# Allegro board LAY-38820_A.brd (continued)
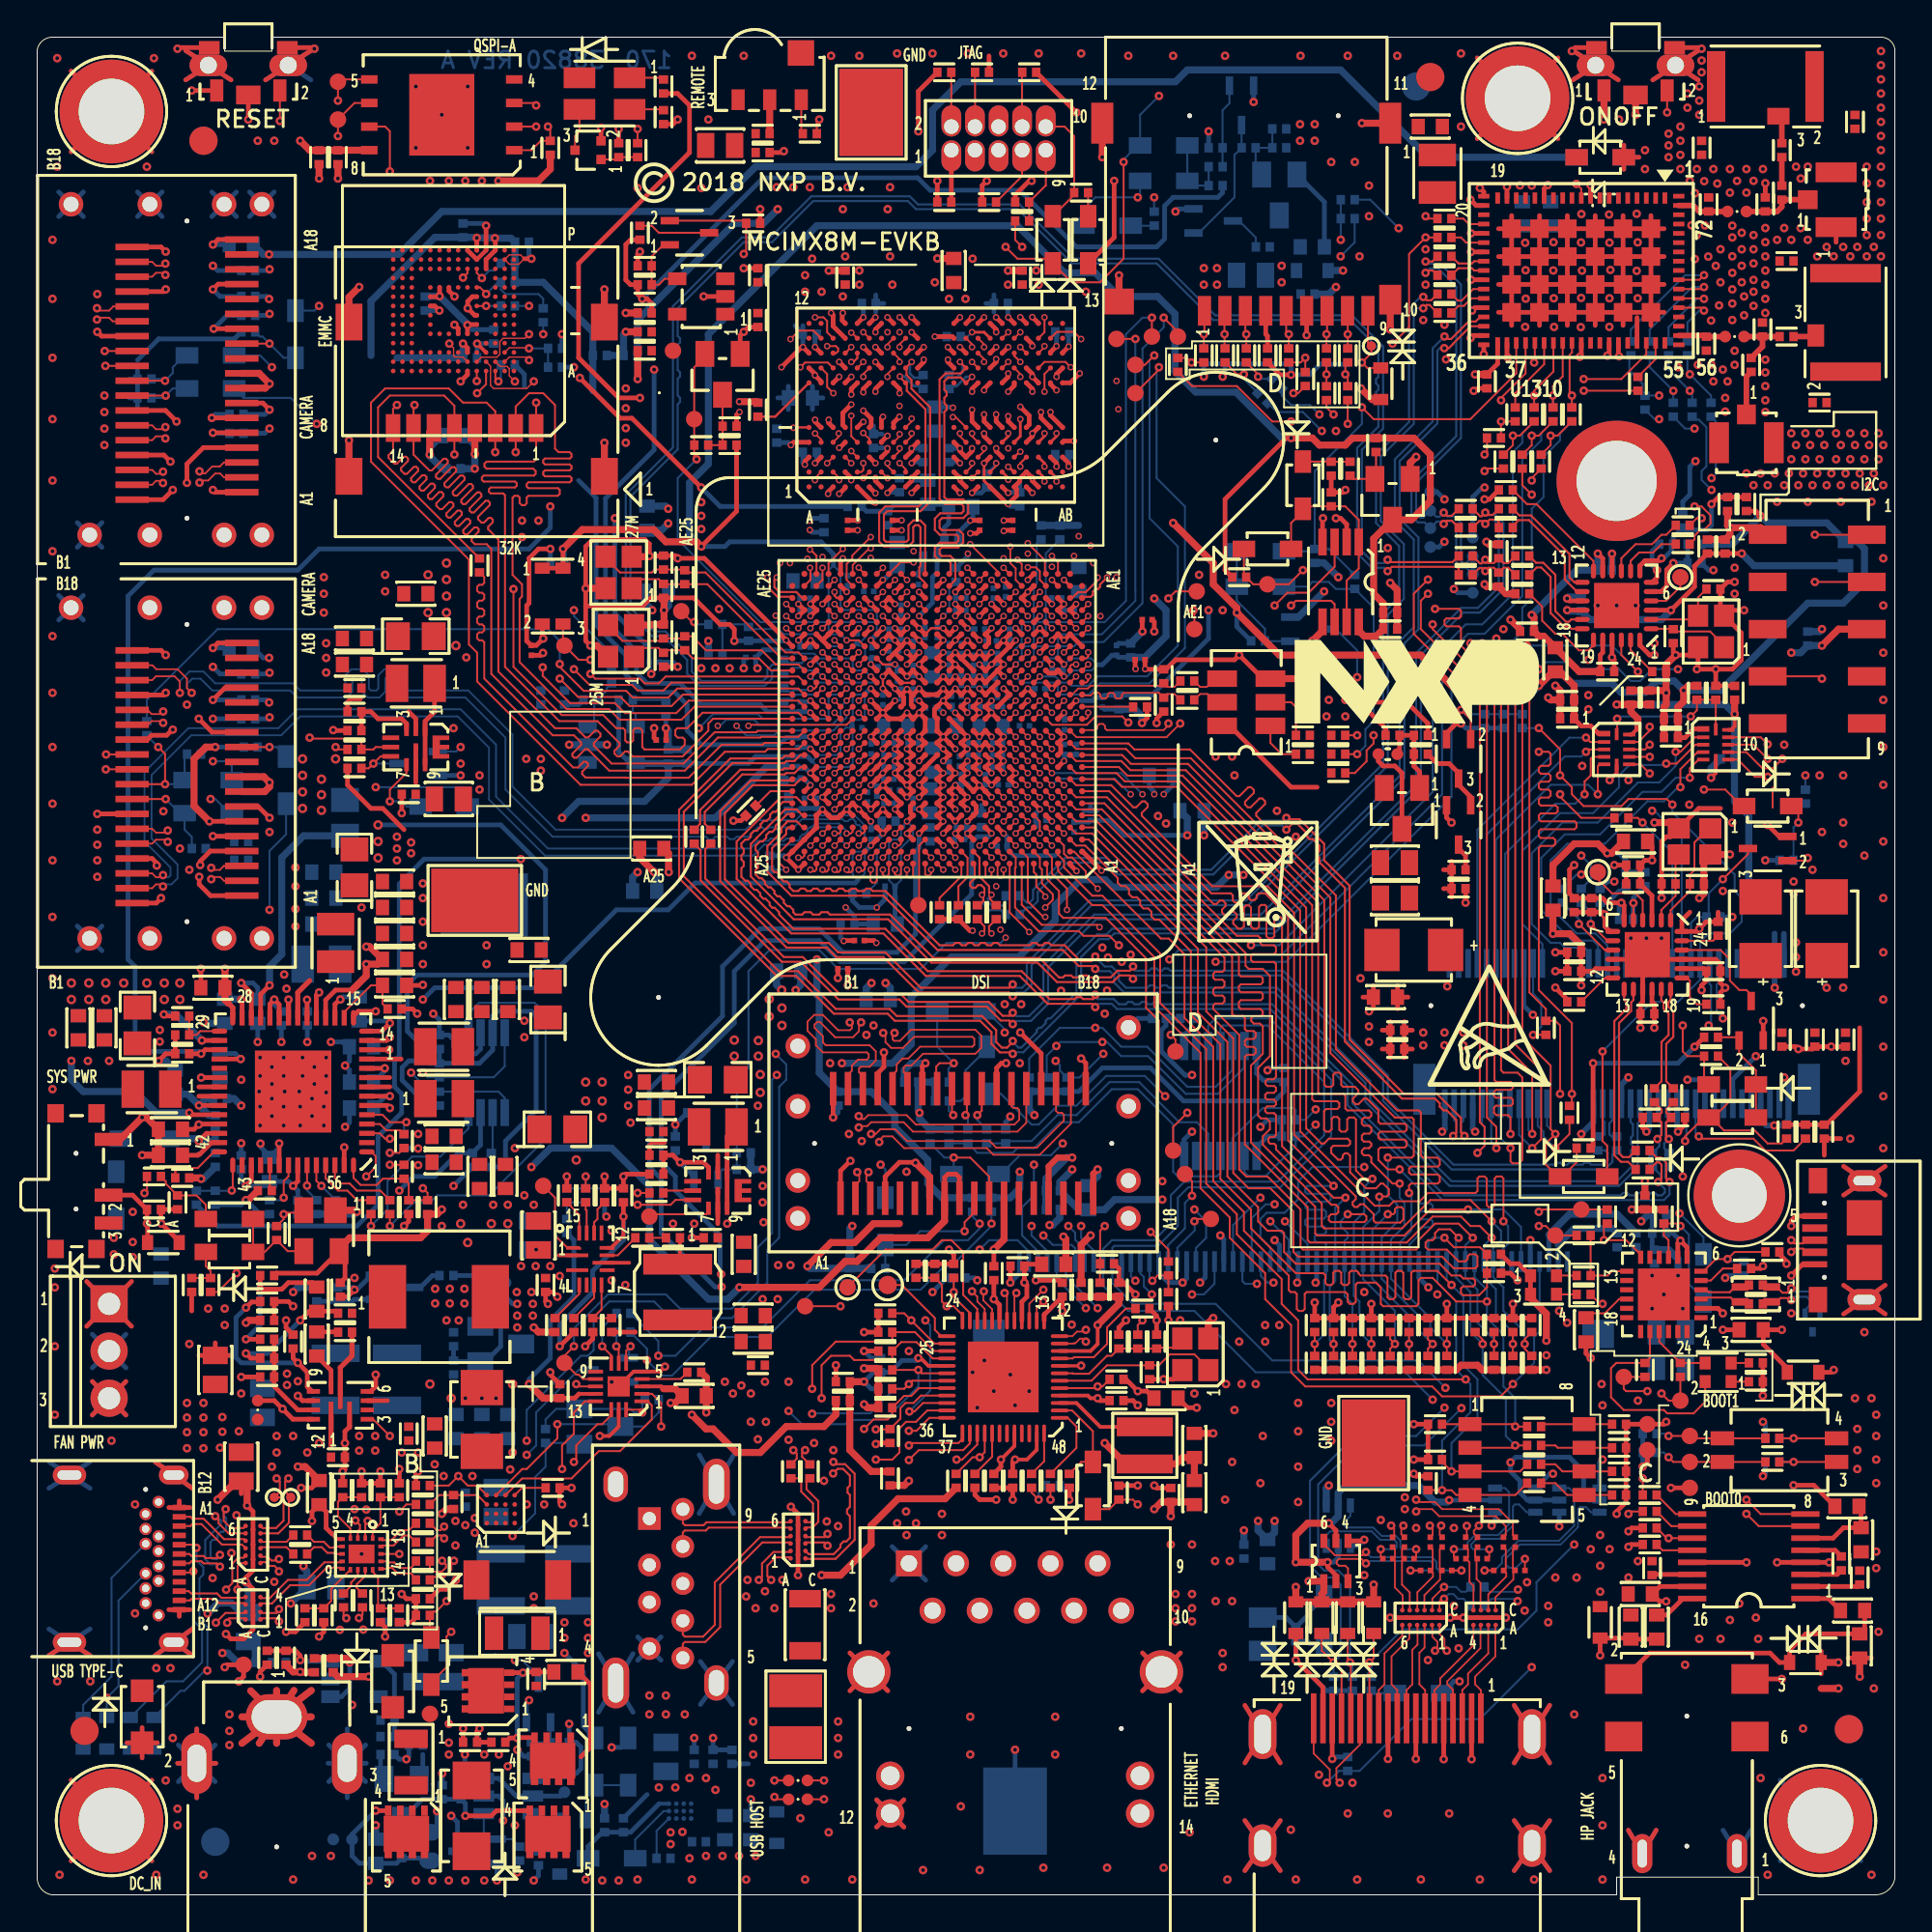
[diagram p0: board, top side]
## Routing (per net, layer and track width the routed paths; a pad name or vN(x,y) marks a point on that pad's centre or on a via; arc(x,y) is an arc through that point) (continued)
SAI3_TXD: length 61.5
  TOP w0.107: R1444.2 78.8,79.3 v1(78.8,79.31) 78.81,79.32 R1316.1 ; U101.C3 55.27,56.48 55.27,56.04 55.48,55.84 55.7,55.84 56.45,55.1 56.45,54.8 v2(57.09,54.16)
  L6_INT_2 w0.076: v2(57.09,54.16) 58.15,53.1 70.63,53.1 75.75,58.23 84.9,58.23 86.35,59.68 86.35,65.09 86.63,65.37 86.63,66.94 v1(87.06,67.37)
  L8_INT_3 w0.076: v1(78.8,79.31) 78.8,78.42 81.47,75.75 81.47,73.98 83.88,71.56 84.64,71.56 87.06,69.15 v1(87.06,67.37)
SAI3_TXFS: length 45.4
  TOP w0.107: R1443.2 79.44,78.03 v1(79.44,78.55) 79.81,78.55 R1317.1 ; U101.G3 v2(55.27,59.08)
  L6_INT_2 w0.076: v1(79.44,78.55) 78.55,77.66 78.55,70.17 80.63,68.08 80.63,67.04 79.44,65.85 76.14,65.85 72.21,61.93 67.9,61.93 65.01,59.04 62.12,59.04 61.12,60.03 57.11,60.03 56.16,59.08 v2(55.27,59.08)
SAI5_MCLK: length 37.7
  TOP w0.107: U101.K4 v2(54.62,61.03)
  L8_INT_3 w0.076: v1(67.17,36.26) 66.66,35.75 66.23,35.75 65.59,36.38 65.59,37.15 65.34,37.4 65.34,49.85 65.98,50.48 65.98,54.55 60.83,59.69 58.16,59.69 57.15,60.71 55.12,60.71 54.79,61.03 v2(54.62,61.03)
  BOTTOM w0.107: J1801.29 68.38,35.05 v1(67.17,36.26)
SAI5_RXC: length 38.3
  TOP w0.107: U101.L5 v2(53.97,61.68)
  L8_INT_3 w0.076: v2(53.97,61.68) 54.3,62.01 54.83,62.01 55.05,61.79 55.81,61.79 56.13,61.46 57.61,61.46 58.5,60.57 61.48,60.57 67.17,54.88 67.17,37.05 v1(66.38,36.26)
  BOTTOM w0.107: v1(66.38,36.26) 67.38,35.26 J1801.31
SAI5_RXD0: length 42.3
  TOP w0.107: U101.M5 v2(53.97,62.33)
  L8_INT_3 w0.076: v2(53.97,62.33) 53.97,62.36 54.3,62.68 55.56,62.68 56.2,62.04 57.97,62.04 58.86,61.16 62.16,61.16 68.01,55.31 68.01,34.41 v1(66.55,32.96)
  BOTTOM w0.107: J1801.34 65.88,33.31 66.23,32.96 v1(66.55,32.96)
SAI5_RXD1: length 37
  TOP w0.107: U101.L4 v2(54.62,61.68)
  L8_INT_3 w0.076: v1(66.61,37.17) 66.74,37.3 66.74,54.8 61.26,60.28 58.39,60.28 57.49,61.18 56.08,61.18 55.67,61.58 54.82,61.58 54.72,61.68 v2(54.62,61.68)
  BOTTOM w0.107: v1(66.61,37.17) 66.13,37.17 65.38,36.42 J1801.35
SAI5_RXD2: length 41.3
  TOP w0.107: U101.M4 v2(54.62,62.33)
  L8_INT_3 w0.076: v2(54.62,62.33) 54.79,62.33 55.14,61.99 55.94,61.99 56.19,61.74 57.74,61.74 58.62,60.86 61.82,60.86 67.63,55.05 67.63,34.86 v1(65.66,32.89)
  BOTTOM w0.107: v1(65.66,32.89) 65.02,32.89 64.88,33.04 J1801.36
SAI5_RXD3: length 37.7
  TOP w0.107: U101.K5 v2(53.97,61.03)
  L8_INT_3 w0.076: v1(65.85,37.53) 66.36,38.04 66.36,41.85 65.72,42.48 65.72,49.08 66.36,49.72 66.36,54.67 61.04,59.99 58.27,59.99 57.32,60.94 55.98,60.94 55.56,61.36 54.3,61.36 v2(53.97,61.03)
  BOTTOM w0.107: v1(65.85,37.53) 64.38,36.06 J1801.37
SAI5_RXFS: length 48.2
  TOP w0.107: U101.N4 54.62,62.98 56.51,62.98 56.96,63.44 58.41,63.44 v1(58.74,63.11)
  L8_INT_3 w0.076: v1(71.44,39.18) 71.18,39.43 71.18,47.69 71.69,48.2 71.69,49.97 71.18,50.48 71.18,57.34 66.15,62.37 59.47,62.37 v1(58.74,63.11)
  BOTTOM w0.107: J1801.33 66.38,34.84 65.85,35.37 65.85,36.38 66.18,36.72 67.15,36.72 67.88,37.44 67.88,38.42 68.64,39.18 v1(71.44,39.18)
SBU1: length 11
  TOP w0.107: v1(8.4,17.42) 8.34,17.35 J901.A8
  BOTTOM w0.107: TVS904.2 6.96,11.49 7.85,11.49 8.88,12.52 8.88,14.29 8.44,14.73 8.44,17.38 v1(8.4,17.42)
SBU2: length 10.7
  BOTTOM w0.107: J901.B8 4,17.06 4,11.75 2.48,10.22 TVS905.2
SD1_CLK: length 28.5
  TOP w0.107: R616.1 24.07,70.94 24.07,70.63 23.96,70.52 23.79,70.52 23.68,70.41 23.68,70.2 23.79,70.09 23.96,70.09 24.07,69.99 24.07,69.77 23.96,69.67 23.79,69.67 23.68,69.56 23.68,69.35 23.79,69.24 23.96,69.24 24.07,69.13 24.07,68.92 23.96,68.81 23.79,68.81 23.68,68.71 23.68,68.49 23.79,68.39 23.96,68.39 24.07,68.28 24.07,68.07 23.96,67.96 23.79,67.96 23.68,67.85 23.68,67.64 23.79,67.53 23.96,67.53 24.07,67.43 24.07,65.48 28.85,60.69 29.11,60.69 29.42,61 29.55,61 29.65,60.9 29.65,60.77 29.34,60.46 29.34,60.33 29.52,60.15 31.67,60.15 31.69,60.13 35.06,60.13 36.84,61.91 39.05,61.91 39.15,62.01 U101.L25
SD1_CMD: length 60.1
  TOP w0.107: v1(24.66,77.66) J601.P3 24.66,79.86 24.19,80.33 22.92,80.33 22.16,81.09 18.73,81.09 17.97,80.33 17.97,77.15 23.24,71.88 23.24,67.31 23.68,66.86 23.68,65.32 29.25,59.75 35.24,59.75 37.02,61.53 39.18,61.53 39.33,61.68 40.97,61.68 U101.L24 ; v1(23.94,87.03) 23.66,87.31 U601.M5
  L6_INT_2 w0.076: v1(23.94,87.03) 25.29,85.69 25.29,80.91 24.66,80.29 v1(24.66,77.66)
  BOTTOM w0.107: v1(23.94,87.03) 24.35,87.44 24.58,87.44 R602.2
SD1_DATA0: length 57.7
  TOP w0.107: U101.M25 38.78,62.66 38.71,62.58 36.47,62.58 34.78,60.9 30.92,60.9 29.97,61.85 29.97,62.01 30.32,62.36 30.32,62.51 30.17,62.66 30.02,62.66 29.66,62.31 29.51,62.31 29.02,62.8 27.88,62.8 24.83,65.85 24.83,72.96 24.28,73.51 24.28,73.64 24.53,73.89 24.53,74.02 24.43,74.12 24.3,74.12 24.15,73.97 24.05,73.87 23.92,73.87 23.73,74.05 23.73,74.19 24.36,74.82 24.36,74.95 24.27,75.04 24.14,75.04 23.51,74.41 23.38,74.41 23.28,74.51 23.28,74.64 23.91,75.27 23.91,75.4 23.82,75.5 23.69,75.5 23.06,74.87 22.92,74.87 22.83,74.96 22.83,75.09 23.46,75.72 23.46,75.85 23.37,75.95 23.23,75.95 22.6,75.32 22.47,75.32 22.38,75.41 22.38,75.54 23.01,76.17 23.01,76.31 22.91,76.4 22.78,76.4 22.15,75.77 22.02,75.77 21.92,75.86 21.92,76 22.55,76.63 22.55,76.76 22.46,76.85 22.33,76.85 21.7,76.22 21.57,76.22 21.47,76.32 21.47,76.45 22.1,77.08 22.1,77.21 22.01,77.31 21.87,77.31 21.25,76.68 21.11,76.68 20.26,77.53 J601.P7 20.26,80.15 v1(20.31,80.2) ; U601.A3 24.66,81.63 v1(24.83,81.47)
  L6_INT_2 w0.076: v1(24.83,81.47) 24.83,82.36 24.7,82.49 23.35,82.49 23.23,82.36 23.23,80.33 23.1,80.2 v1(20.31,80.2)
  BOTTOM w0.107: R601.2 24.96,81.6 v1(24.83,81.47)
SD1_DATA1: length 57.1
  TOP w0.107: v1(19.37,80.2) 19.16,79.99 J601.P8 19.16,77.74 18.92,77.5 18.92,77.35 19.23,77.04 19.36,77.04 19.74,77.41 19.87,77.41 19.96,77.32 19.96,77.19 19.59,76.81 19.59,76.68 19.77,76.49 19.9,76.49 20.28,76.87 20.41,76.87 20.51,76.77 20.51,76.64 20.13,76.27 20.13,76.13 20.22,76.04 20.36,76.04 20.73,76.42 20.86,76.42 20.96,76.32 20.96,76.19 20.58,75.81 20.58,75.68 20.68,75.59 20.81,75.59 21.18,75.96 21.32,75.96 21.41,75.87 21.41,75.74 21.04,75.36 21.04,75.23 21.13,75.14 21.26,75.14 21.64,75.51 21.77,75.51 21.86,75.42 21.86,75.28 21.49,74.91 21.49,74.78 21.67,74.59 21.8,74.59 22.18,74.97 22.31,74.97 22.41,74.88 22.41,74.74 22.03,74.37 22.03,74.23 22.12,74.14 22.26,74.14 22.63,74.52 22.76,74.52 22.86,74.42 22.86,74.29 22.48,73.91 22.48,73.78 22.58,73.69 22.71,73.69 23.08,74.06 23.22,74.06 23.31,73.97 23.31,73.84 22.94,73.46 22.94,73.33 23.03,73.24 23.16,73.24 23.54,73.61 23.67,73.61 23.76,73.52 23.76,73.38 23.39,73.01 23.39,72.88 23.56,72.71 24.19,72.71 24.45,72.45 24.45,65.72 27.75,62.42 28.89,62.42 29.28,62.03 29.28,61.9 28.81,61.44 28.81,61.3 28.91,61.21 29.04,61.21 29.5,61.67 29.64,61.67 30.8,60.51 34.86,60.51 36.64,62.3 38.93,62.3 38.97,62.33 40.97,62.33 U101.M24 ; v1(23.68,80.83) 24.17,81.32 U601.A4
  L6_INT_2 w0.076: v1(19.37,80.2) 20.38,79.18 23.05,79.18 23.68,79.82 v1(23.68,80.83)
SD1_DATA2: length 56.9
  TOP w0.107: v1(26.86,80.33) J601.P1 26.86,78.96 26.86,77.28 26.73,77.15 24.19,77.15 24.08,77.04 24.08,76.89 24.19,76.77 26.71,76.77 26.83,76.64 26.83,76.49 26.74,76.4 24.03,76.4 23.94,76.31 23.94,76.17 24.03,76.08 25.72,76.08 25.82,75.99 25.82,75.85 25.72,75.76 24.41,75.76 24.32,75.67 24.32,75.53 24.41,75.44 25.09,75.44 25.18,75.35 25.18,66.11 28.11,63.18 30.16,63.18 31.34,62 31.34,61.85 31.08,61.59 31.08,61.44 31.23,61.29 31.38,61.29 31.65,61.55 31.8,61.55 32.07,61.28 34.74,61.28 36.13,62.67 36.13,63.05 36.39,63.31 40.65,63.31 U101.N25 ; U601.A5 v1(23.66,81.49)
  L6_INT_2 w0.076: v1(26.86,80.33) 26.86,77.02 26.61,76.77 24.7,76.77 24.19,77.28 24.19,80.96 v1(23.66,81.49)
SD1_DATA3: length 55.8
  TOP w0.076: U601.B2 25.41,82.78 26.31,82.78 v1(26.48,82.61)
  TOP w0.107: v1(25.76,77.66) J601.P2 25.76,80.12 26.48,80.83 27.24,80.83 27.88,80.2 27.88,77.85 28.07,77.66 28.66,77.66 28.76,77.56 28.76,77.41 28.68,77.32 27.33,77.32 27.24,77.23 27.24,77.09 27.33,77 28.67,77 28.76,76.91 28.76,76.77 28.67,76.68 27.33,76.68 27.24,76.59 27.24,76.45 27.33,76.36 28.67,76.36 28.77,76.27 28.77,76.13 28.67,76.04 26.45,76.04 26.35,75.95 26.35,75.81 26.45,75.72 28.04,75.72 28.13,75.63 28.13,75.42 28.02,75.31 26.45,75.31 26.35,75.22 26.35,74.91 26.25,74.81 26.09,74.81 25.97,74.92 25.97,75.22 25.88,75.31 25.7,75.31 25.59,75.2 25.59,71.06 26.1,70.55 26.1,69.89 25.97,69.76 25.97,66.36 28.5,63.83 30.78,63.83 31.36,63.26 34.68,63.26 35.38,63.96 U101.P25
  L6_INT_2 w0.076: v1(26.48,82.61) 26.22,82.36 26.22,80.79 25.76,80.33 v1(25.76,77.66)
SD1_DATA4: length 54.5
  TOP w0.076: U601.B3 24.92,82.28 25.29,82.28 25.41,82.16 25.41,81.77 v1(25.72,81.47)
  TOP w0.107: v1(25.64,70.29) 25.64,66.11 28.24,63.51 30.47,63.51 31.18,62.8 31.55,62.8 31.66,62.69 31.66,62.15 31.76,62.04 31.98,62.04 32.08,62.15 32.08,62.69 32.19,62.8 32.45,62.8 32.57,62.67 32.57,61.78 32.7,61.66 34.61,61.66 34.86,61.91 34.86,62.19 34.75,62.29 34.48,62.29 34.35,62.42 34.35,62.69 34.46,62.8 34.99,62.8 35.82,63.63 40.98,63.63 U101.N24
  L8_INT_3 w0.076: v1(25.72,81.47) 25.72,81.11 25.84,80.99 26.35,80.99 26.48,80.86 26.48,80.61 26.35,80.48 25.84,80.48 25.72,80.35 25.72,79.95 25.84,79.82 26.22,79.82 26.35,79.69 26.35,77.66 26.48,77.53 26.78,77.53 26.86,77.46 26.86,77.15 26.73,77.02 25.84,77.02 25.72,76.9 25.72,76.64 25.84,76.52 26.73,76.52 26.86,76.39 26.86,76.14 26.73,76.01 25.84,76.01 25.72,75.88 25.72,75.63 25.84,75.5 26.73,75.5 26.86,75.37 26.86,75.12 26.73,74.99 25.84,74.99 25.72,74.87 25.72,74.61 25.84,74.48 27.19,74.48 27.49,74.18 27.49,73.09 26.93,72.52 26.35,72.52 26.22,72.4 26.22,72.14 26.35,72.01 27.62,72.01 27.75,71.89 27.75,71.56 27.62,71.44 26.85,71.44 26.72,71.31 26.72,69.79 26.59,69.66 26.34,69.66 26.21,69.79 26.21,71.18 26.09,71.31 25.72,71.31 25.59,71.18 25.59,70.34 v1(25.64,70.29)
SD1_DATA5: length 53.7
  TOP w0.076: U601.B4 24.41,82.29 24.41,81.26 24.57,81.09 26.35,81.09 v1(26.73,81.47)
  TOP w0.107: v1(27.22,66.08) 27.22,65.62 28.68,64.16 31.09,64.16 31.64,63.61 34.4,63.61 35.07,64.28 40.98,64.28 U101.P24
  L8_INT_3 w0.076: v1(26.73,81.47) 26.86,81.6 26.86,82.36 26.99,82.49 27.24,82.49 27.37,82.36 27.37,81.47 27.49,81.34 27.67,81.34 27.75,81.27 27.75,81.04 27.67,80.96 27.49,80.96 27.37,80.83 27.37,80.53 27.49,80.4 28.64,80.4 28.76,80.28 28.76,80.02 28.64,79.9 27.49,79.9 27.37,79.77 27.37,79.51 27.49,79.39 28.64,79.39 28.76,79.26 28.76,79.01 28.64,78.88 27.49,78.88 27.37,78.75 27.37,75.5 27.49,75.37 28.69,75.37 28.82,75.25 28.82,74.97 28.69,74.84 28.51,74.84 28.38,74.71 28.38,74.46 28.51,74.33 28.69,74.33 28.82,74.21 28.82,73.95 28.69,73.82 28.51,73.82 28.38,73.7 28.38,73.44 28.51,73.32 28.69,73.32 28.82,73.19 28.82,71.8 28.52,71.51 28.52,71.33 28.75,71.1 28.75,70.92 28.57,70.74 28.39,70.74 28.16,70.97 27.99,70.97 27.81,70.79 27.81,70.61 28.12,70.3 28.29,70.13 28.29,69.95 28.11,69.77 27.93,69.77 27.45,70.25 27.27,70.25 27.09,70.07 27.09,69.89 27.57,69.41 27.57,69.23 27.39,69.05 27.21,69.05 27.11,69.15 25.72,69.15 25.59,69.02 25.59,68.83 25.72,68.7 26.86,68.7 26.99,68.57 26.99,68.32 26.86,68.19 26.1,68.19 25.97,68.07 25.97,67.81 26.1,67.68 26.61,67.68 26.73,67.56 26.73,66.56 v1(27.22,66.08)
SD1_DATA6: length 52.9
  TOP w0.076: U601.B5 23.91,82.77 24.75,82.77 24.91,82.93 24.91,83.61 25.08,83.79 26.26,83.79 v1(26.48,84.01)
  TOP w0.107: v1(28.13,65.47) 29.12,64.48 31.4,64.48 31.89,63.99 34.15,63.99 34.76,64.61 U101.R25
  L8_INT_3 w0.076: v1(26.48,84.01) 27.88,82.61 27.88,81.85 29.17,80.56 29.17,78.57 29.04,78.45 27.88,78.45 27.75,78.32 27.75,78.07 27.88,77.94 29.04,77.94 29.17,77.81 29.17,77.56 29.04,77.43 27.88,77.43 27.75,77.3 27.75,77.05 27.88,76.92 29.55,76.92 29.68,76.8 29.68,76.52 29.55,76.39 27.88,76.39 27.75,76.26 27.75,76.01 27.9,75.86 29.65,75.86 29.78,75.73 29.78,75.47 29.65,75.35 29.3,75.35 29.17,75.22 29.17,74.97 29.3,74.84 29.65,74.84 29.78,74.71 29.78,74.46 29.65,74.33 29.3,74.33 29.17,74.2 29.17,73.95 29.3,73.82 29.65,73.82 29.78,73.7 29.78,73.44 29.65,73.32 29.3,73.32 29.17,73.19 29.17,72.93 29.3,72.81 29.65,72.81 29.78,72.68 29.78,72.43 29.65,72.3 29.3,72.3 29.17,72.17 29.17,71.92 29.3,71.79 29.65,71.79 29.78,71.66 29.78,71.41 29.65,71.28 29.36,71.28 29.27,71.19 29.27,70.8 28.7,70.23 28.7,70.1 28.9,69.9 28.9,69.8 28.47,69.36 28.23,69.36 28.05,69.18 28.05,69 28.43,68.62 28.43,68.44 28.26,68.26 28.13,68.26 27.78,68.62 27.6,68.62 27.46,68.48 27.46,68.3 27.88,67.88 27.88,66.86 27.67,66.66 27.67,65.93 v1(28.13,65.47)
SD1_DATA7: length 53.7
  TOP w0.076: v1(22.19,83.5) 22.41,83.27 22.41,82.86 22.49,82.78 22.92,82.78 U601.B6
  TOP w0.107: U101.T25 34.14,65.26 33.72,64.83 32.32,64.83 32.02,65.13 29.74,65.13 v1(28.89,65.98)
  L8_INT_3 w0.076: v1(28.89,65.98) 28.89,67.66 32.32,71.09 32.32,72.45 32.45,72.58 33.08,72.58 33.21,72.71 33.21,72.99 33.08,73.11 32.07,73.11 31.94,73.24 31.94,73.49 32.07,73.62 32.96,73.62 33.08,73.75 33.08,74.59 32.96,74.71 32.07,74.71 31.94,74.84 31.94,75.09 32.07,75.22 33.59,75.22 33.72,75.35 33.72,75.6 33.59,75.73 32.07,75.73 31.94,75.86 31.94,76.11 32.07,76.24 33.59,76.24 33.72,76.36 33.72,76.64 33.59,76.77 31.05,76.77 30.03,77.79 30.03,82.87 28.13,84.77 26.35,84.77 24.57,82.99 22.69,82.99 v1(22.19,83.5)
SD1_NRST: length 74
  TOP w0.107: U101.R24 40.97,64.94 34.46,64.94 33.97,64.45 32.07,64.45 31.71,64.81 29.42,64.81 28.13,66.1 v1(28.13,66.26)
  L8_INT_3 w0.076: v1(28.13,66.26) 28.38,66.51 28.38,67.75 30.16,69.53 30.16,70.62 30.29,70.75 31.3,70.75 31.43,70.88 31.43,71.13 31.3,71.26 30.29,71.26 30.16,71.39 30.16,71.64 30.29,71.77 31.69,71.77 31.81,71.89 31.81,72.15 31.69,72.28 30.29,72.28 30.16,72.4 30.16,72.66 30.29,72.78 31.3,72.78 31.43,72.91 31.43,73.16 31.3,73.29 30.29,73.29 30.16,73.42 30.16,73.67 30.29,73.8 30.59,73.8 30.67,73.88 30.67,74.23 30.59,74.31 30.29,74.31 30.16,74.43 30.16,74.69 30.29,74.82 31.3,74.82 31.43,74.94 31.43,75.2 31.3,75.32 30.29,75.32 30.16,75.45 30.16,75.7 30.29,75.83 31.3,75.83 31.43,75.96 31.43,76.21 31.3,76.34 30.34,76.34 30.16,76.52 30.16,77.02 29.65,77.53 29.65,80.58 28.26,81.98 28.26,82.99 v1(27.24,84.01)
  BOTTOM w0.107: R1530.2 5.9,64.32 9.71,68.13 27.49,68.13 28.13,67.5 v1(28.13,66.26) ; R621.1 v1(27.24,84.01)
SD1_STROBE: length 52.2
  TOP w0.107: v1(29.78,65.72) 30.03,65.47 32.45,65.47 32.7,65.21 33.46,65.21 33.83,65.58 40.98,65.58 U101.T24
  L8_INT_3 w0.076: v1(26.48,85.53) 30.87,85.53 31,85.41 31,85.13 30.87,85 29.15,85 29.02,84.87 29.02,84.62 29.15,84.49 30.87,84.49 31,84.37 31,83.46 30.87,83.34 30.54,83.34 30.42,83.21 30.42,82.96 30.54,82.83 30.87,82.83 31,82.7 31,82.45 30.87,82.32 30.54,82.32 30.42,82.19 30.42,81.94 30.54,81.81 30.87,81.81 31,81.69 31,81.41 30.87,81.28 30.54,81.28 30.42,81.15 30.42,80.9 30.54,80.77 30.87,80.77 31,80.64 31,80.39 30.87,80.26 30.54,80.26 30.42,80.14 30.42,79.88 30.54,79.76 30.87,79.76 31,79.63 31,79.37 30.87,79.25 30.54,79.25 30.42,79.12 30.42,78.87 30.54,78.74 30.87,78.74 31,78.61 31,77.58 31.3,77.28 33.84,77.28 34.23,76.9 34.23,75.25 34.48,74.99 34.48,72.58 32.21,70.31 32.21,70.13 32.35,69.99 32.35,69.81 32.17,69.63 31.99,69.63 31.85,69.77 31.67,69.77 31.49,69.59 31.49,69.41 31.63,69.27 31.63,69.09 31.45,68.91 31.27,68.91 31.13,69.05 30.95,69.05 30.77,68.87 30.77,68.69 30.91,68.55 30.91,68.37 30.73,68.19 30.55,68.19 30.41,68.33 30.23,68.33 29.27,67.37 29.27,66.23 v1(29.78,65.72)
  BOTTOM w0.107: R617.2 v1(26.48,85.53)
SD2_CLK: length 110.8
  TOP w0.107: U101.L22 v2(42.28,61.68) ; R1603.1 68.01,82.49 v1(68.26,82.74) R1429.1
  L8_INT_3 w0.076: v2(42.28,61.68) 42.13,61.68 41.79,61.35 39.51,61.35 39.31,61.15 32.19,61.15 30.92,62.42 26.1,62.42 20.56,67.96 20.56,72.28 20.26,72.58 20.26,76.19 19.05,77.39 19.05,79.12 18.48,79.69 18.48,81.47 18.73,81.72 18.73,87.57 22.97,91.81 25.01,91.81 27.75,94.55 36.51,94.55 38.04,96.07 44.77,96.07 46.67,97.98 58.36,97.98 67.88,88.45 67.88,83.12 v1(68.26,82.74)
SD2_CMD: length 112.8
  TOP w0.107: U101.M22 v2(42.28,62.33) ; R1617.1 65.09,82.49 65.72,81.85 v1(65.72,81.72)
  L8_INT_3 w0.076: v2(42.28,62.33) 41.94,62.67 41.34,62.67 41.08,62.42 39.56,62.42 39.05,61.91 32.57,61.91 31.34,63.15 26.38,63.15 26.19,63.35 26.19,63.53 26.26,63.6 26.26,63.78 26.08,63.96 25.9,63.96 25.83,63.89 25.65,63.89 25.47,64.07 25.47,64.25 25.54,64.32 25.54,64.5 25.36,64.68 25.18,64.68 25.11,64.61 24.93,64.61 24.75,64.79 24.75,64.97 24.82,65.04 24.82,65.22 24.64,65.4 24.46,65.4 24.39,65.33 24.21,65.33 23.56,65.98 23.56,66.99 22.54,68.01 22.54,71.95 21.14,73.34 21.14,76.36 20,77.51 20,79.56 19.82,79.74 19.82,80.5 19.49,80.83 19.49,87.24 23.25,90.99 25.34,90.99 28,93.66 38.29,93.66 39.05,94.42 44.64,94.42 47.43,97.22 57.97,97.22 65.7,89.5 65.7,89.12 65.61,89.03 65.3,89.03 65.21,88.94 65.21,88.67 65.3,88.58 65.88,88.58 65.96,88.5 65.96,88.23 65.88,88.14 65.3,88.14 65.21,88.05 65.21,87.78 65.3,87.7 65.85,87.7 65.96,87.58 65.96,87.34 65.88,87.25 65.3,87.25 65.21,87.16 65.21,86.9 65.3,86.81 65.61,86.81 65.7,86.72 65.7,86.45 65.61,86.36 65.3,86.36 65.21,86.27 65.21,86.01 65.3,85.92 65.61,85.92 65.7,85.83 65.7,81.75 v1(65.72,81.72)
  BOTTOM w0.107: v1(65.72,81.72) 65.84,81.61 R1430.1
SD2_DATA0: length 112.7
  TOP w0.107: U101.N22 v2(42.28,63.63) ; R1618.1 v1(69.4,81.85) R1431.1
  L8_INT_3 w0.076: v2(42.28,63.63) 41.95,63.31 35.09,63.31 34.96,63.18 34.96,62.93 34.83,62.8 34.58,62.8 34.45,62.93 34.45,63.18 34.32,63.31 32.57,63.31 32.07,63.82 27.24,63.82 24.45,66.61 24.45,67.07 24.07,67.45 24.07,68.67 23.94,68.79 23.56,68.79 23.43,68.92 23.43,69.18 23.56,69.3 23.94,69.3 24.07,69.43 24.07,69.68 23.94,69.81 23.56,69.81 23.43,69.94 23.43,70.19 23.56,70.32 23.94,70.32 24.07,70.45 24.07,70.7 23.94,70.83 23.56,70.83 23.43,70.95 23.43,71.21 23.56,71.33 23.94,71.33 24.07,71.46 24.07,71.82 21.91,73.98 21.91,76.77 21.65,77.02 21.65,80.07 20.26,81.47 20.26,86.9 23.64,90.28 25.89,90.28 28.13,92.52 28.78,92.52 28.87,92.43 28.87,92.09 28.94,92.01 29.23,92.01 29.31,92.09 29.31,92.43 29.4,92.52 29.67,92.52 29.75,92.43 29.75,92.09 29.83,92.01 30.12,92.01 30.2,92.09 30.2,92.43 30.29,92.52 30.55,92.52 30.64,92.43 30.64,92.09 30.72,92.01 31.01,92.01 31.09,92.09 31.09,92.43 31.18,92.52 37.78,92.52 38.8,91.5 56.32,91.5 57.59,92.77 61.4,92.77 62.93,91.25 62.93,88.96 64.07,87.82 64.07,86.42 63.31,85.66 63.31,83.37 64.15,82.54 64.15,82.03 65.87,80.3 67.86,80.3 v1(69.4,81.85)
SD2_DATA1: length 112.7
  TOP w0.107: R1432.1 70.55,81.72 v1(70.42,81.85) 70.42,82.37 R1619.1 ; U101.N21 v2(42.93,63.63)
  L8_INT_3 w0.076: v2(42.93,63.63) 42.6,63.96 41.23,63.96 40.96,63.69 32.72,63.69 32.19,64.21 27.35,64.21 24.95,66.61 24.95,67.12 24.45,67.63 24.45,72.07 22.41,74.1 22.41,76.77 22.01,77.18 22.01,80.35 20.64,81.72 20.64,86.42 22.8,88.58 24.7,88.58 25.23,89.11 25.41,89.11 25.61,88.91 25.79,88.91 25.97,89.09 25.97,89.27 25.77,89.47 25.77,89.65 25.94,89.83 26.12,89.83 26.33,89.62 26.51,89.62 26.69,89.8 26.69,89.98 26.48,90.19 26.48,90.37 26.66,90.54 26.84,90.54 27.04,90.34 27.22,90.34 27.4,90.52 27.4,90.7 27.2,90.9 27.2,91.08 27.37,91.25 28.16,91.25 28.25,91.16 28.25,90.83 28.34,90.74 28.6,90.74 28.69,90.83 28.69,91.16 28.78,91.25 29.05,91.25 29.14,91.16 29.14,90.83 29.23,90.74 29.49,90.74 29.58,90.83 29.58,91.16 29.67,91.25 29.94,91.25 30.03,91.16 30.03,90.83 30.11,90.74 30.38,90.74 30.47,90.83 30.47,91.16 30.56,91.25 30.83,91.25 30.91,91.16 30.91,90.83 31,90.74 31.27,90.74 31.36,90.83 31.36,91.16 31.45,91.25 31.79,91.25 31.88,91.16 31.88,90.83 31.97,90.74 32.24,90.74 32.33,90.83 32.33,91.16 32.42,91.25 57.59,91.25 58.74,92.39 61.28,92.39 62.34,91.33 62.34,83.45 63.31,82.49 63.31,81.47 63.69,81.09 64.58,81.09 65.72,79.95 68.52,79.95 v1(70.42,81.85)
SD2_DATA2: length 112.3
  TOP w0.107: R1433.1 61.9,82.73 62.15,82.49 ; 62.15,82.49 v1(62.14,82.49) ; 62.15,82.49 R1620.1 ; U101.P22 v2(42.28,64.28)
  L8_INT_3 w0.076: v1(62.14,82.49) 61.96,82.66 61.96,89.4 61.87,89.49 61.49,89.49 61.4,89.58 61.4,89.85 61.49,89.94 61.87,89.94 61.96,90.03 61.96,90.82 60.77,92.01 59.12,92.01 57.21,90.11 31.27,90.11 31.18,90.02 31.18,88.42 31.09,88.33 30.83,88.33 30.74,88.42 30.74,90.02 30.65,90.11 30.38,90.11 30.29,90.02 30.29,88.42 30.2,88.33 29.94,88.33 29.85,88.42 29.85,90.02 29.76,90.11 29.49,90.11 29.4,90.02 29.4,88.42 29.31,88.33 29.05,88.33 28.96,88.42 28.96,90.02 28.87,90.11 27.75,90.11 24.24,86.6 23.74,86.6 21.4,84.26 21.4,82.1 24.19,79.31 24.19,77.41 24.8,76.8 24.8,76.33 24.68,76.2 23.05,76.2 22.92,76.07 22.92,75.82 23.05,75.69 24.68,75.69 24.8,75.56 24.8,75.31 24.68,75.18 23.05,75.18 22.92,75.06 22.92,74.8 23.05,74.68 24.68,74.68 24.8,74.55 24.8,74.29 24.68,74.17 23.68,74.17 23.56,74.04 23.56,73.79 23.68,73.66 24.68,73.66 24.8,73.53 24.8,67.79 25.34,67.26 25.34,66.74 27.47,64.61 32.42,64.61 32.96,64.07 40.7,64.07 41.24,64.61 41.95,64.61 v2(42.28,64.28)
SD2_DATA3: length 112.6
  TOP w0.107: v1(64.96,81.85) 64.59,81.85 R1621.1 ; U101.P21 v2(42.93,64.28)
  L8_INT_3 w0.076: v2(42.93,64.28) U101.P21 43.25,63.44 42.81,63 39.64,63 38.92,62.29 32.96,62.29 31.74,63.51 27.04,63.51 24.07,66.48 24.07,66.99 22.92,68.13 22.92,72.2 21.5,73.62 21.5,76.52 20.51,77.51 20.51,78.52 20.64,78.65 20.89,78.65 21.02,78.78 21.02,79.03 20.89,79.16 20.64,79.16 20.51,79.29 20.51,79.56 20.76,79.82 20.76,80.45 19.87,81.34 19.87,87.03 23.46,90.61 25.59,90.61 28,93.03 44.13,93.03 47.81,96.71 57.97,96.71 63.44,91.25 63.44,90.28 63.56,90.16 64.07,90.16 64.2,90.03 64.2,89.77 64.07,89.65 63.56,89.65 63.44,89.52 63.44,89.27 63.56,89.14 64.4,89.14 64.58,88.96 64.58,85.91 64.49,85.82 64.03,85.82 63.94,85.73 63.94,85.46 64.03,85.37 64.49,85.37 64.58,85.29 64.58,85.02 64.49,84.93 63.91,84.93 63.82,84.84 63.82,84.57 63.91,84.49 64.49,84.49 64.58,84.4 64.58,82.23 v1(64.96,81.85)
  BOTTOM w0.107: v1(64.96,81.85) 64.96,81.6 R1434.1
SD2_NCD: length 116.2
  TOP w0.107: TVS1601.2 71.6,82.19 v1(71.31,82.49) 71.82,82.99 TP1602.1 71.64,83.56 J1601.9 ; U101.L21 v2(42.93,61.68)
  L8_INT_3 w0.076: v1(71.31,82.49) 71.06,82.74 69.02,82.74 68.57,82.28 68.08,82.28 66.48,83.88 66.48,89.22 58.1,97.6 47.05,97.6 44.51,95.06 38.42,95.06 37.48,94.12 27.83,94.12 25.13,91.42 23.13,91.42 19.11,87.41 19.11,81.34 18.86,81.09 18.86,79.95 19.56,79.25 19.56,77.44 20.64,76.36 20.64,72.83 21.53,71.94 21.53,67.5 26.22,62.8 31.1,62.8 32.35,61.55 39.2,61.55 39.66,62.01 42.6,62.01 v2(42.93,61.68)
SD2_NRST: length 83.7
  TOP w0.107: U101.R22 42.92,64.93 v2(42.93,64.93)
  L8_INT_3 w0.076: v1(59.24,91.38) 57.47,89.6 36.38,89.6 33.84,87.06 26.48,87.06 23.43,84.01 22.03,84.01 21.78,83.76 21.78,83.25 22.92,82.1 23.68,82.1 24.14,81.65 24.14,80 25.18,78.96 25.18,68.03 25.72,67.5 25.72,66.86 27.62,64.96 32.7,64.96 33.21,64.45 40.58,64.45 41.38,65.26 42.6,65.26 v2(42.93,64.93)
  BOTTOM w0.107: D1405.C 56.32,90.74 56.96,91.38 v1(59.24,91.38) 59.37,91.5 D1608.C
SD2_VSELECT: length 47.3
  TOP w0.107: v1(38.04,88.33) 38.16,88.45 38.16,89.97 R1605.1 38.03,90.12 Q1601.2 ; U101.P5 v2(53.97,64.28)
  L6_INT_2 w0.076: v1(38.04,88.33) 36.64,86.93 36.64,82.99 34.99,81.34 34.99,71.69 37.53,69.15 37.78,69.15 39.08,67.86 42.13,67.86 42.78,67.2 43.09,67.2 43.24,67.05 43.24,66.74 43.42,66.56 44.35,66.56 44.55,66.36 44.55,65.43 44.73,65.25 53.49,65.25 53.97,64.77 v2(53.97,64.28)
SDIO_WAKE: length 217.7
  TOP w0.107: R1435.1 82.61,42.6 v1(82.61,43.12) 82.61,46.93 80.83,48.7 80.83,56.36 80.94,56.46 81.62,56.46 81.72,56.57 81.72,56.78 81.62,56.89 80.94,56.89 80.83,57 80.83,57.25 80.94,57.36 82.76,57.36 82.87,57.47 82.87,57.68 82.76,57.79 80.94,57.79 80.83,57.89 80.83,58.11 80.94,58.22 81.74,58.22 81.85,58.32 81.85,58.54 81.74,58.64 80.94,58.64 80.83,58.75 80.83,58.96 80.94,59.07 81.36,59.07 81.47,59.18 81.47,59.39 81.36,59.5 80.94,59.5 80.83,59.6 80.83,59.82 80.94,59.92 81.36,59.92 81.47,60.03 81.47,60.24 81.36,60.35 80.94,60.35 80.83,60.46 80.83,60.67 80.94,60.78 81.36,60.78 81.47,60.88 81.47,61.42 81.36,61.53 v1(80.83,61.53) ; U101.M21 v2(42.93,62.33)
  L6_INT_2 w0.076: v1(82.36,30.8) 79.69,30.8 78.8,31.69 78.8,31.94 76.9,33.84 63.44,33.84 59.88,37.4 57.97,37.4 56.45,38.92 56.45,39.69 55.94,40.19 55.56,40.19 55.31,39.94 52.26,39.94 50.99,38.67 48.32,38.67 47.76,38.11 46.21,38.11 45.4,38.92 v1(45.4,39.31)
  L8_INT_3 w0.076: v1(80.83,61.53) 76.9,65.47 75.88,65.47 72.33,69.02 71.18,69.02 69.53,70.67 67.37,70.67 67.25,70.55 67.25,69.91 67.12,69.79 66.86,69.79 66.74,69.91 66.74,71.94 66.61,72.07 66.16,72.07 66.03,71.94 66.03,69.15 65.9,69.02 65.65,69.02 65.52,69.15 65.52,71.94 65.39,72.07 65.14,72.07 65.01,71.94 65.01,69.61 64.94,69.53 64.58,69.53 64.5,69.61 64.5,70.17 64.38,70.29 63.82,70.29 63.69,70.17 63.69,69.79 63.56,69.66 63.31,69.66 63.18,69.79 63.18,70.67 63.31,70.8 64.07,70.8 64.2,70.93 64.2,72.39 64.32,72.52 70.52,72.52 70.61,72.61 70.61,73.39 70.54,73.47 70.18,73.47 70.1,73.39 70.1,73.15 69.98,73.02 69.72,73.02 69.6,73.15 69.6,73.52 69.52,73.6 69.16,73.6 69.09,73.52 69.09,73.15 68.96,73.02 64.32,73.02 64.2,73.15 64.2,73.41 64.32,73.53 67.88,73.53 68.01,73.66 68.01,73.91 67.88,74.04 64.32,74.04 64.2,74.17 64.2,74.42 64.32,74.55 67.88,74.55 68.01,74.68 68.01,74.93 67.88,75.06 67.12,75.06 66.99,75.18 66.99,75.63 66.87,75.75 66.61,75.75 66.49,75.63 66.49,75.18 66.36,75.06 66.1,75.06 65.98,75.18 65.98,75.63 65.85,75.75 65.6,75.75 65.47,75.63 65.47,75.18 65.34,75.06 64.32,75.06 64.2,75.18 64.2,75.42 64.12,75.5 61.78,75.5 61.66,75.37 61.66,75.09 61.78,74.97 63.61,74.97 63.69,74.89 63.69,74.71 63.56,74.59 61.78,74.59 61.66,74.46 61.66,74.21 61.78,74.08 63.56,74.08 63.69,73.95 63.69,73.7 63.56,73.57 61.78,73.57 61.66,73.44 61.66,73.19 61.78,73.06 63.56,73.06 63.69,72.94 63.69,72.68 63.56,72.55 61.53,72.55 61.4,72.43 61.4,72.17 61.53,72.05 63.56,72.05 63.69,71.92 63.69,71.67 63.56,71.54 61.78,71.54 61.66,71.41 61.66,70.35 61.78,70.22 62.55,70.22 62.67,70.1 62.67,69.84 62.55,69.72 61.78,69.72 61.66,69.59 61.66,69.28 61.53,69.15 58.99,69.15 57.7,67.86 52.49,67.86 52.35,67.72 52.35,60.22 52.18,60.06 50.53,60.06 49.89,59.41 48.49,59.41 48.32,59.24 48.32,58.61 47.82,58.11 44.76,58.11 44.55,58.32 44.55,61.87 44.42,62.01 43.25,62.01 v2(42.93,62.33) ; v1(82.36,30.8) 82.36,32.19 83.25,33.08 83.25,38.67 82.61,39.31 v1(82.61,43.12)